# Altium PCB UM-64NNP-V1 rev 0.18.PcbDoc (part 3 of 5) (continued)
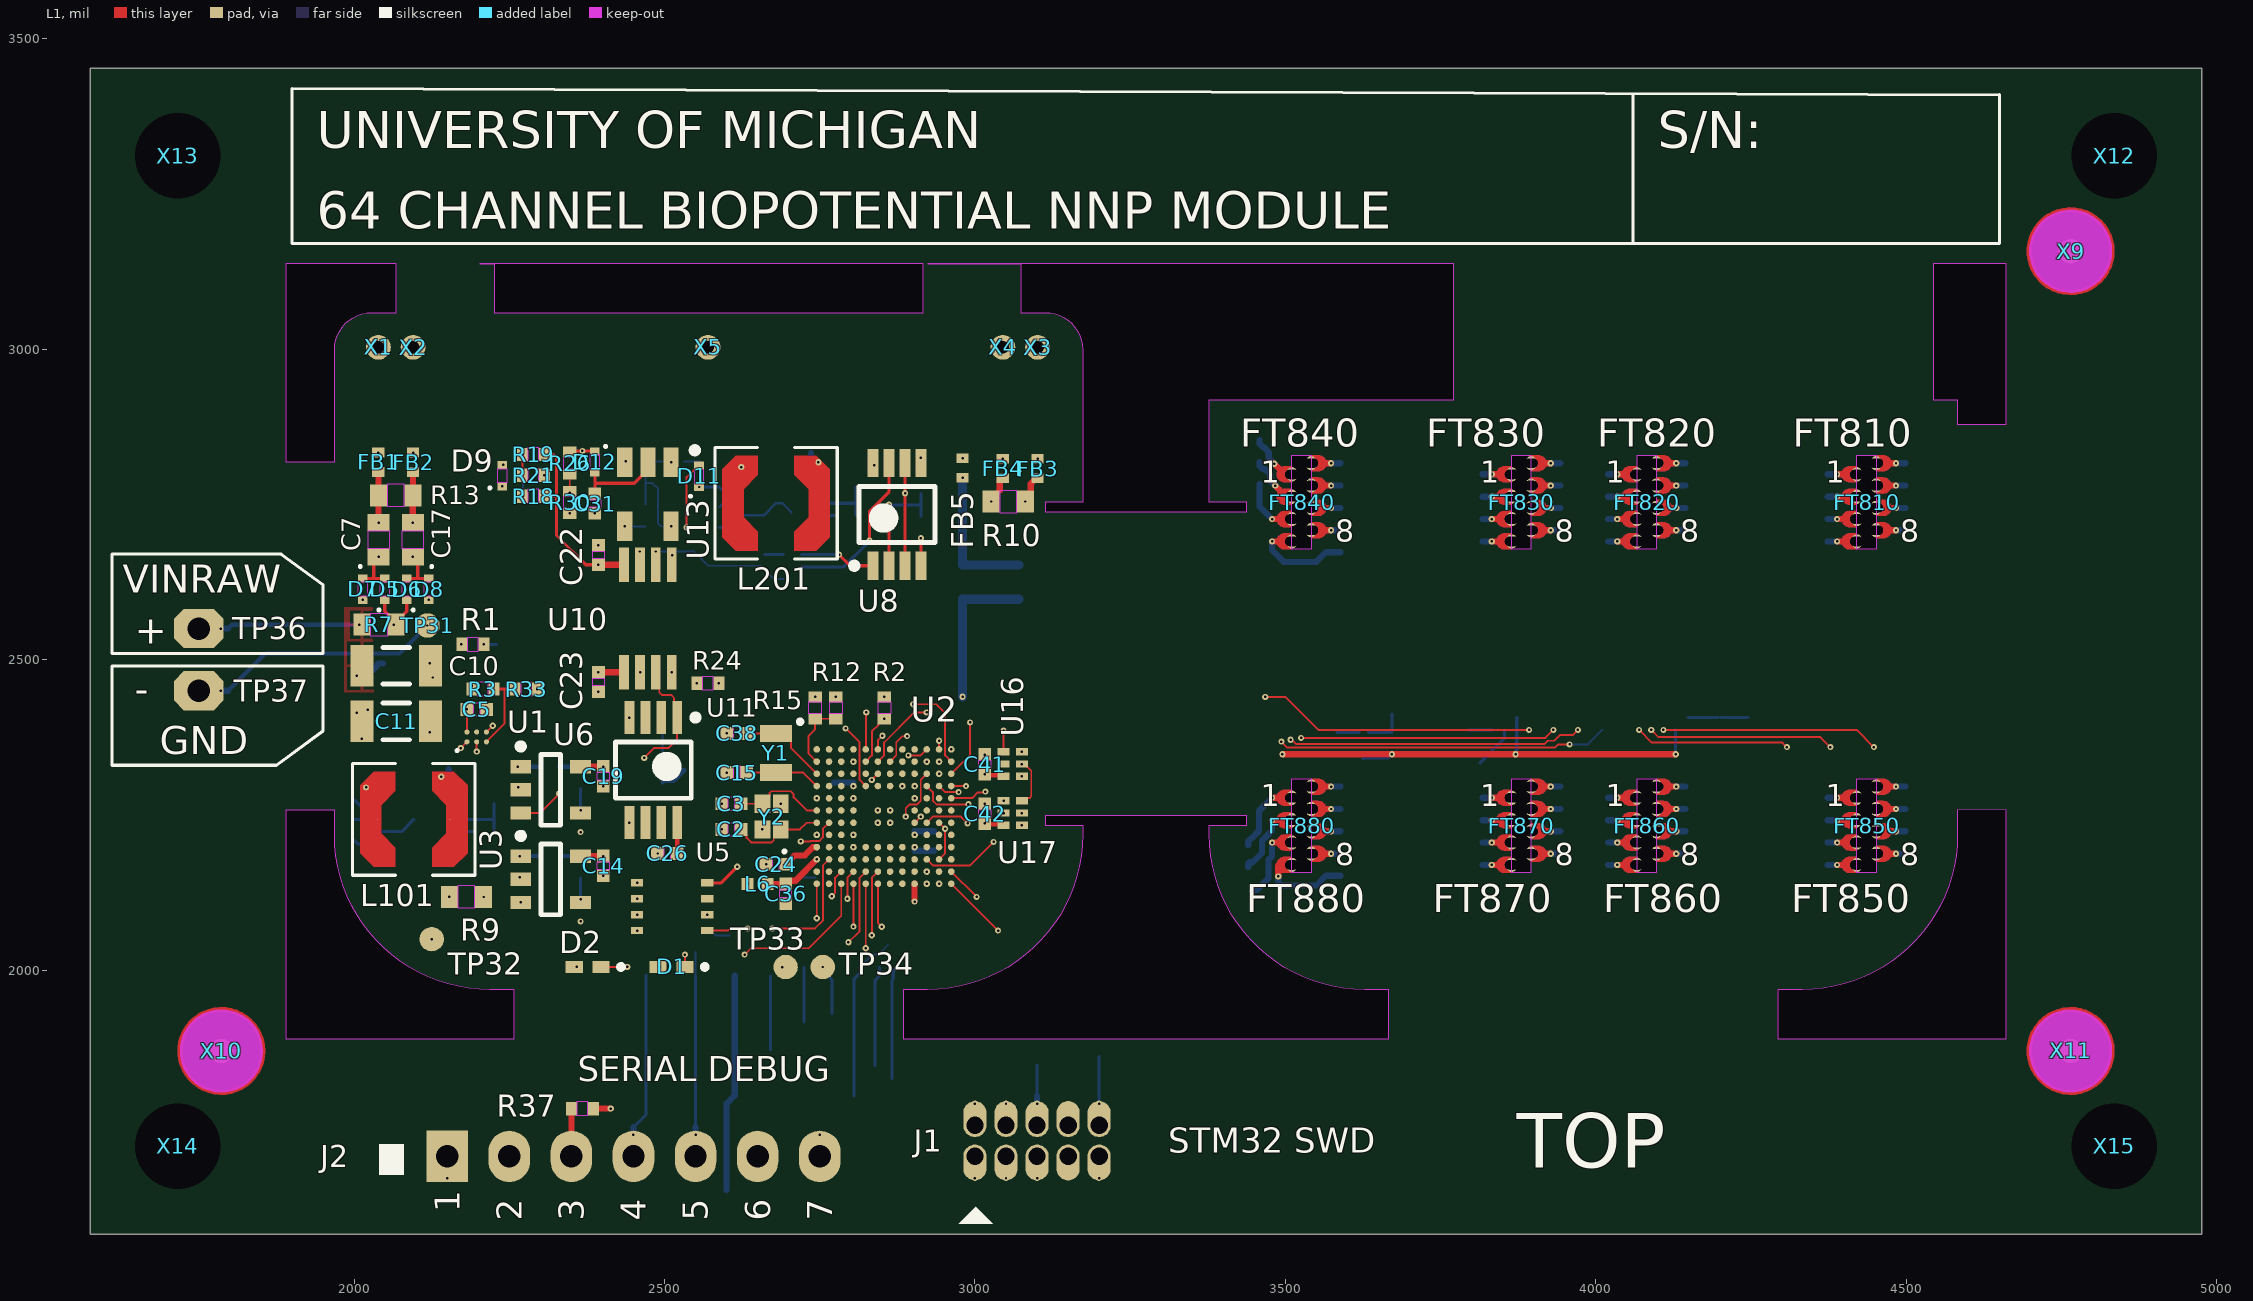
[diagram p0: L1 view]
## Nets (pads, with @x,y where several pads share a name; then routed paths per layer and width w, separated by ;. In a path a pad name is that pad's centre, name@x,y a point inside that pad or via, vN(x,y) a via of type N, cw(c..) or ccw(c..) an arc to the next point about the centre after c; other vN are vias at no path point) (continued)
  L6 w10: v5(1785,2450) v4(1797,2450) ; v3(2600,1646) 2600,1785 2613.13,1798.13 2613.13,1968.5 ; 2613.13,1968.83 v3(2613.13,1990.91) ; C43.2@2902.77,2223.65 C40.2@2934.27,2223.65
  L6 w15: v1(2980,2440.19) C37.1@2980,2597.44 v1(3070.48,2597.44)
  other v1: 2600,1646 2150,1665 2125,2050 2266.49,2149.26 2401.26,2152.22 2191.77,2187.63 2225.24,2187.63 2745.29,2217.75 2902.77,2217.75 2774.82,2231.53 2863.4,2237.43 2843.72,2257.12 2772.85,2270.9 2096.22,2274.24 2804.35,2276.8 2902.77,2276.8 2401.26,2296.32 2467.2,2322.07 4210.49,2344.63 3902.26,2347.61 4097.15,2347.63 2197.43,2351.98 4192.77,2358.41 3762.5,2386.96 4049.91,2386.96 4148.33,2386.96 3634.11,2398.93 3833.37,2406.64 3853.05,2406.64 3892.42,2406.64 3912.11,2406.64 3931.79,2406.64 3951.48,2406.64 3971.16,2406.64 3990.85,2406.64 4010.54,2406.64 4030.22,2406.64 4049.91,2406.64 4069.59,2406.64 4089.28,2406.64 4108.96,2406.64 4128.65,2406.64 2213.18,2419.81 3853.05,2426.33 4128.65,2426.33 4148.33,2426.33 3833.37,2446.01 4148.33,2446.01 3671.51,2448.15 1785,2450 2294.92,2452.73 2118.17,2555.05 3508.35,2598.96
  other v2: 2150,1653 2613.13,2002.91 2137,2050 2946.27,2110.42 2401.26,2140.22 2278.49,2149.26 2191.77,2175.63 2225.24,2175.63 2736.8,2209.26 2890.77,2217.75 2774.82,2219.53 2871.89,2228.95 2772.85,2258.9 2804.35,2264.8 2902.77,2264.8 2835.23,2265.6 2108.22,2274.24 2401.26,2284.32 2455.2,2322.07 2865.27,2326.01 2197.43,2339.98 3552.95,2347.75 2225.18,2419.81 3467.5,2424.05 3535,2440 1797,2450 2306.92,2452.73 2135.57,2462.81 2130.17,2555.05
  other v3: 2150,1665 3050.01,1665.01 3100.01,1665.01 3200.01,1665.01 2125,2050 2364.84,2078.32 2934.27,2110.42 2695.09,2112.31 2743.32,2117.94 2266.49,2149.26 2401.26,2152.22 2663.6,2170.31 2000.33,2177.2 2488.85,2187.82 2096.22,2211.25 2745.29,2217.75 2902.77,2217.75 2364.84,2222.43 2591.98,2226.53 2657.77,2226.53 2863.4,2237.43 2843.72,2257.12 2591.98,2267.94 2687.3,2267.94 2804.35,2276.8 2902.77,2276.8 2264.44,2294.18 2401.26,2296.32 2600.61,2318.14 2120.83,2323.46 2877.27,2326.01 2197.43,2351.98 2532.24,2353.57 2600.61,2381.13 2121.91,2383.4 2961.83,2387.04 2443.58,2406.72 2213.18,2419.81 2854.03,2440.19 2980,2440.19 2393.52,2448.25 1785,2450 2294.92,2452.73 2228.9,2469.8 2511.63,2479.74 2121.54,2493.86 2118.17,2555.05 2013.95,2596.28 2120.25,2596.28
  other v4: 2600,1634 3050.01,1653.01 3100.01,1653.01 3200.01,1653.01 2376.84,2078.32 2683.09,2112.31 2731.32,2117.94 2008.82,2168.71 2651.6,2170.31 2476.85,2187.82 2108.22,2211.25 2376.84,2222.43 2579.98,2226.53 2645.77,2226.53 2678.81,2259.46 2579.98,2267.94 2276.44,2294.18 2120.83,2311.46 2588.61,2318.14 4160.33,2349.59 2544.24,2353.57 3467.5,2364.05 2588.61,2381.13 2133.91,2383.4 2973.83,2387.04 2443.58,2418.72 2980,2428.19 2393.52,2436.25 2866.03,2440.19 3595,2440 2228.9,2457.8 2511.63,2491.74 2133.54,2493.86 2013.95,2584.28 2120.25,2584.28
  other v5: 3050.01,1665.01 3100.01,1665.01 3200.01,1665.01 2690,2004.99 2455.73,2063.69 2364.84,2078.32 2695.09,2112.31 2922.46,2158.69 2663.6,2170.31 2488.85,2187.82 2804.35,2217.75 2364.84,2222.43 2591.98,2226.53 2657.77,2226.53 3046.14,2252.97 2591.98,2267.94 2687.3,2267.94 3015.63,2267.73 2264.44,2294.18 2600.61,2318.14 3015.63,2347.16 3075.67,2351.55 2600.61,2381.13 2121.91,2383.4 2443.58,2406.72 2854.03,2440.19 2980,2440.19 2393.52,2448.25 2127.08,2471.29 2511.63,2479.74 2013.95,2596.28 2120.25,2596.28
  other v8: 2613.13,1990.91
IN0: C865.2 D865.1 FT860.5 U701.K2 | length 379.4
  L1 w10: 4120.38,2295.5 v1(4129.5,2295.5)
  L3 w10: 4120.38,2295.5 v1(4129.5,2295.5) v2(4141.5,2295.5)
  L4 w3: v2(4138.49,2436.17) 4160.37,2436.17 4198.7,2397.83 4198.7,2307.55 v2(4198.75,2307.5)
  L4 w10: 4120.38,2295.5 v1(4129.5,2295.5) v2(4141.5,2295.5)
  L2 w10: 4120.38,2295.5 v1(4129.5,2295.5) v2(4141.5,2295.5)
  L5 w3: v1(4128.65,2446.01) v2(4138.49,2436.17) ; v1(4198.75,2295.5) v2(4198.75,2307.5)
  L5 w10: 4120.38,2295.5 v1(4129.5,2295.5) ; v2(4141.5,2295.5) v1(4129.5,2295.5) ; v1(4198.75,2295.5) v1(4129.5,2295.5)
  L6 w10: 4120.38,2295.5 v1(4129.5,2295.5) D865.1@4144.62,2295.5
  other v3: 4129.5,2295.5
  other v4: 4141.5,2295.5
  other v5: 4129.5,2295.5
IN1: C867.2 D867.1 FT860.7 U701.J1 | length 483.3
  L1 w10: 4120.38,2223.5 v1(4129.5,2223.5)
  L3 w10: 4120.38,2223.5 v1(4129.5,2223.5) v2(4141.5,2223.5)
  L4 w3: v2(4160.33,2465.7) 4230.25,2395.78 4230.25,2255 v2(4207.24,2231.99)
  L4 w10: 4120.38,2223.5 v1(4129.5,2223.5) v2(4141.5,2223.5)
  L2 w10: 4120.38,2223.5 v1(4129.5,2223.5) v2(4141.5,2223.5)
  L5 w3: v1(4148.33,2465.7) v2(4160.33,2465.7) ; v1(4198.75,2223.5) v2(4207.24,2231.99)
  L5 w10: 4120.38,2223.5 v1(4129.5,2223.5) ; v2(4141.5,2223.5) v1(4129.5,2223.5) ; v1(4198.75,2223.5) v1(4129.5,2223.5)
  L6 w10: 4120.38,2223.5 v1(4129.5,2223.5) D867.1@4144.62,2223.5
  other v3: 4129.5,2223.5
  other v4: 4141.5,2223.5
  other v5: 4129.5,2223.5
IN2: C866.2 D866.1 FT860.6 U701.J2 | length 444.3
  L1 w10: 4120.38,2259.5 v1(4129.5,2259.5)
  L3 w10: 4120.38,2259.5 v1(4129.5,2259.5) v2(4141.5,2259.5)
  L4 w3: v2@4138.68,2456.05 4138.78,2455.95 4152.31,2455.95 4215.63,2392.64 4215.63,2276.38 v2(4207.24,2267.99)
  L4 w10: 4120.38,2259.5 v1(4129.5,2259.5) v2(4141.5,2259.5)
  L2 w10: 4120.38,2259.5 v1(4129.5,2259.5) v2(4141.5,2259.5)
  L5 w3: v1(4128.65,2465.7) v2(4138.49,2455.86) ; v1(4198.75,2259.5) v2(4207.24,2267.99)
  L5 w10: 4120.38,2259.5 v1(4129.5,2259.5) ; v2(4141.5,2259.5) v1(4129.5,2259.5) ; v1(4198.75,2259.5) v1(4129.5,2259.5)
  L6 w10: 4120.38,2259.5 v1(4129.5,2259.5) D866.1@4144.62,2259.5
  other v3: 4129.5,2259.5
  other v4: 4141.5,2259.5
  other v5: 4129.5,2259.5
IN3: C854.2 D854.1 FT850.4 U701.H1 | length 592.9
  L1 w10: v1(4388.51,2169.5) 4397.63,2169.5
  L3 w10: v2(4376.51,2169.5) v1(4388.51,2169.5) 4397.63,2169.5
  L4 w3: v2(4160.33,2485.38) 4160.46,2485.25 4181.17,2485.25 4262.6,2403.82 4262.6,2226.16 v2(4310.77,2177.99)
  L4 w10: v2(4376.51,2169.5) v1(4388.51,2169.5) 4397.63,2169.5
  L2 w10: v2(4376.51,2169.5) v1(4388.51,2169.5) 4397.63,2169.5
  L5 w3: v1(4148.33,2485.38) v2(4160.33,2485.38) ; v2(4310.77,2177.99) v1(4319.26,2169.5)
  L5 w10: v1(4319.26,2169.5) v1(4388.51,2169.5) ; v2(4376.51,2169.5) v1(4388.51,2169.5) ; 4397.63,2169.5 v1(4388.51,2169.5)
  L6 w10: D854.1@4373.39,2169.5 v1(4388.51,2169.5) 4397.63,2169.5
  other v3: 4388.51,2169.5
  other v4: 4376.51,2169.5
  other v5: 4388.51,2169.5
IN4: C868.2 D868.1 FT860.8 U701.H2 | length 572.7
  L1 w10: 4120.38,2187.5 v1(4129.5,2187.5)
  L3 w10: 4120.38,2187.5 v1(4129.5,2187.5) v2(4141.5,2187.5)
  L4 w3: v2(4138.49,2475.54) 4176.35,2475.54 4242.88,2409.01 4242.88,2231.63 v2(4207.24,2195.99)
  L4 w10: 4120.38,2187.5 v1(4129.5,2187.5) v2(4141.5,2187.5)
  L2 w10: 4120.38,2187.5 v1(4129.5,2187.5) v2(4141.5,2187.5)
  L5 w3: v1(4128.65,2485.38) v2(4138.49,2475.54) ; v1(4198.75,2187.5) v2(4207.24,2195.99)
  L5 w10: 4120.38,2187.5 v1(4129.5,2187.5) ; v2(4141.5,2187.5) v1(4129.5,2187.5) ; v1(4198.75,2187.5) v1(4129.5,2187.5)
  L6 w10: 4120.38,2187.5 v1(4129.5,2187.5) D868.1@4144.62,2187.5
  other v3: 4129.5,2187.5
  other v4: 4141.5,2187.5
  other v5: 4129.5,2187.5
IN5: C852.2 D852.1 FT850.2 U701.G1 | length 549.7
  L1 w10: v1(4388.51,2241.5) 4397.63,2241.5
  L3 w10: v2(4376.51,2241.5) v1(4388.51,2241.5) 4397.63,2241.5
  L4 w3: v2(4160.33,2505.07) 4160.47,2504.93 4196.73,2504.93 4294,2407.65 4294,2266.76 v2(4310.77,2249.99)
  L4 w10: v2(4376.51,2241.5) v1(4388.51,2241.5) 4397.63,2241.5
  L2 w10: v2(4376.51,2241.5) v1(4388.51,2241.5) 4397.63,2241.5
  L5 w3: v1(4148.33,2505.07) v2(4160.33,2505.07) ; v2(4310.77,2249.99) v1(4319.26,2241.5)
  L5 w10: v1(4319.26,2241.5) v1(4388.51,2241.5) ; v2(4376.51,2241.5) v1(4388.51,2241.5) ; 4397.63,2241.5 v1(4388.51,2241.5)
  L6 w10: D852.1@4373.39,2241.5 v1(4388.51,2241.5) 4397.63,2241.5
  other v3: 4388.51,2241.5
  other v4: 4376.51,2241.5
  other v5: 4388.51,2241.5
IN6: C853.2 D853.1 FT850.3 U701.G2 | length 593.8
  L1 w10: v1(4388.51,2205.5) 4397.63,2205.5
  L3 w10: v2(4376.51,2205.5) v1(4388.51,2205.5) 4397.63,2205.5
  L4 w3: v2(4138.49,2495.23) 4138.84,2494.88 4187.06,2494.88 4278.57,2403.36 4278.57,2246.19 v2(4310.77,2213.99)
  L4 w10: v2(4376.51,2205.5) v1(4388.51,2205.5) 4397.63,2205.5
  L2 w10: v2(4376.51,2205.5) v1(4388.51,2205.5) 4397.63,2205.5
  L5 w3: v1(4128.65,2505.07) v2(4138.49,2495.23) ; v2(4310.77,2213.99) v1(4319.26,2205.5)
  L5 w10: v1(4319.26,2205.5) v1(4388.51,2205.5) ; v2(4376.51,2205.5) v1(4388.51,2205.5) ; 4397.63,2205.5 v1(4388.51,2205.5)
  L6 w10: D853.1@4373.39,2205.5 v1(4388.51,2205.5) 4397.63,2205.5
  other v3: 4388.51,2205.5
  other v4: 4376.51,2205.5
  other v5: 4388.51,2205.5
IN7: C855.2 D855.1 FT850.5 U701.F1 | length 609
  L1 w10: 4474.38,2295.5 v1(4483.5,2295.5)
  L3 w10: 4474.38,2295.5 v1(4483.5,2295.5) v2(4495.5,2295.5)
  L4 w3: v2(4160.33,2524.76) 4320.56,2524.76 v2(4507.86,2337.45)
  L4 w10: 4474.38,2295.5 v1(4483.5,2295.5) v2(4495.5,2295.5)
  L2 w10: 4474.38,2295.5 v1(4483.5,2295.5) v2(4495.5,2295.5)
  L5 w3: v1(4148.33,2524.76) v2(4160.33,2524.76) ; v2(4507.86,2337.45) v1(4516.34,2328.97)
  L5 w10: 4474.38,2295.5 v1(4483.5,2295.5) v2(4495.5,2295.5) 4516.34,2316.35 v1(4516.34,2328.97)
  L6 w10: 4474.38,2295.5 v1(4483.5,2295.5) D855.1@4498.62,2295.5
  other v3: 4483.5,2295.5
  other v4: 4495.5,2295.5
  other v5: 4483.5,2295.5
IN8: C851.2 D851.1 FT850.1 U701.F2 | length 552
  L1 w10: v1(4388.51,2277.5) 4397.63,2277.5
  L3 w10: v2(4376.51,2277.5) v1(4388.51,2277.5) 4397.63,2277.5
  L4 w3: v2(4138.49,2514.92) 4138.53,2514.96 4204.53,2514.96 4319.26,2400.24 v2(4319.26,2289.5)
  L4 w10: v2(4376.51,2277.5) v1(4388.51,2277.5) 4397.63,2277.5
  L2 w10: v2(4376.51,2277.5) v1(4388.51,2277.5) 4397.63,2277.5
  L5 w3: v1(4128.65,2524.76) v2(4138.49,2514.92) ; v1(4319.26,2277.5) v2(4319.26,2289.5)
  L5 w10: v1(4319.26,2277.5) v1(4388.51,2277.5) ; v2(4376.51,2277.5) v1(4388.51,2277.5) ; 4397.63,2277.5 v1(4388.51,2277.5)
  L6 w10: D851.1@4373.39,2277.5 v1(4388.51,2277.5) 4397.63,2277.5
  other v3: 4388.51,2277.5
  other v4: 4376.51,2277.5
  other v5: 4388.51,2277.5
IN9: C856.2 D856.1 FT850.6 U701.E1 | length 732.7
  L1 w10: 4474.38,2259.5 v1(4483.5,2259.5)
  L3 w10: 4474.38,2259.5 v1(4483.5,2259.5) v2(4495.5,2259.5)
  L4 w3: v2(4160.33,2544.44) 4341.83,2544.44 4547.75,2338.51 v2(4547.75,2277.5)
  L4 w10: 4474.38,2259.5 v1(4483.5,2259.5) v2(4495.5,2259.5)
  L2 w10: 4474.38,2259.5 v1(4483.5,2259.5) v2(4495.5,2259.5)
  L5 w3: v1(4148.33,2544.44) v2(4160.33,2544.44) ; v1(4547.75,2260.07) v2(4547.75,2277.5)
  L5 w10: 4474.38,2259.5 v1(4483.5,2259.5) v2(4495.5,2259.5) ; v2@4496.07,2260.07 v1(4547.75,2260.07)
  L6 w10: 4474.38,2259.5 v1(4483.5,2259.5) D856.1@4498.62,2259.5
  other v3: 4483.5,2259.5
  other v4: 4495.5,2259.5
  other v5: 4483.5,2259.5
IN10: C858.2 D858.1 FT850.8 U701.E2 | length 827
  L1 w10: 4474.38,2187.5 v1(4483.5,2187.5)
  L3 w10: 4474.38,2187.5 v1(4483.5,2187.5) v2(4495.5,2187.5)
  L4 w3: v2(4138.49,2534.6) 4332.4,2534.6 4533.87,2333.13 4533.87,2188.57 v2(4511.34,2166.04)
  L4 w10: 4474.38,2187.5 v1(4483.5,2187.5) v2(4495.5,2187.5)
  L2 w10: 4474.38,2187.5 v1(4483.5,2187.5) v2(4495.5,2187.5)
  L5 w3: v1(4128.65,2544.44) v2(4138.49,2534.6) ; v1(4511.34,2154.04) v2(4511.34,2166.04)
  L5 w10: 4474.38,2187.5 v1(4483.5,2187.5) v2(4495.5,2187.5) 4511.34,2171.66 v2(4511.34,2166.04)
  L6 w10: 4474.38,2187.5 v1(4483.5,2187.5) D858.1@4498.62,2187.5
  other v3: 4483.5,2187.5
  other v4: 4495.5,2187.5
  other v5: 4483.5,2187.5
IN11: C816.2 D816.1 FT810.6 U701.D1 | length 764.8
  L1 w10: 4474.38,2780.5 v1(4483.5,2780.5)
  L3 w10: 4474.38,2780.5 v1(4483.5,2780.5) v2(4495.5,2780.5)
  L4 w3: v2(4160.33,2564.13) 4486.81,2564.13 4562.25,2639.57 4562.25,2742.27 4552.75,2751.77 v2(4552.75,2767.94)
  L4 w10: 4474.38,2780.5 v1(4483.5,2780.5) v2(4495.5,2780.5)
  L2 w10: 4474.38,2780.5 v1(4483.5,2780.5) v2(4495.5,2780.5)
  L5 w3: v1(4148.33,2564.13) v2(4160.33,2564.13) ; v2(4552.75,2767.94) v1(4552.75,2779.94)
  L5 w10: 4474.38,2780.5 v1(4483.5,2780.5) v2(4495.5,2780.5) 4552.19,2780.5 v1(4552.75,2779.94)
  L6 w10: 4474.38,2780.5 v1(4483.5,2780.5) D816.1@4498.62,2780.5
  other v3: 4483.5,2780.5
  other v4: 4495.5,2780.5
  other v5: 4483.5,2780.5
IN12: C857.2 D857.1 FT850.7 U701.D2 | length 818.6
  L1 w10: 4474.38,2223.5 v1(4483.5,2223.5)
  L3 w10: 4474.38,2223.5 v1(4483.5,2223.5) v2(4495.5,2223.5)
  L4 w3: v2(4138.49,2554.29) 4348.86,2554.29 4557.66,2345.49 4557.66,2241.64 4552.75,2236.73 v2(4552.75,2235.5)
  L4 w10: 4474.38,2223.5 v1(4483.5,2223.5) v2(4495.5,2223.5)
  L2 w10: 4474.38,2223.5 v1(4483.5,2223.5) v2(4495.5,2223.5)
  L5 w3: v1(4128.65,2564.13) v2(4138.49,2554.29) ; v1(4552.75,2223.5) v2(4552.75,2235.5)
  L5 w10: 4474.38,2223.5 v1(4483.5,2223.5) v2(4495.5,2223.5) ; v2@4495.57,2223.43 4539.26,2223.43 4539.33,2223.5 v1(4552.75,2223.5)
  L6 w10: 4474.38,2223.5 v1(4483.5,2223.5) D857.1@4498.62,2223.5
  other v3: 4483.5,2223.5
  other v4: 4495.5,2223.5
  other v5: 4483.5,2223.5
IN13: C815.2 D815.1 FT810.5 U701.C1 | length 777.4
  L1 w10: 4474.38,2816.5 v1(4483.5,2816.5)
  L3 w10: 4474.38,2816.5 v1(4483.5,2816.5) v2(4495.5,2816.5)
  L4 w3: v2(4160.33,2583.81) 4456.08,2583.81 4540.25,2667.98 4540.25,2823.55 4524.83,2838.97 v2(4524.83,2840.86)
  L4 w10: 4474.38,2816.5 v1(4483.5,2816.5) v2(4495.5,2816.5)
  L2 w10: 4474.38,2816.5 v1(4483.5,2816.5) v2(4495.5,2816.5)
  L5 w3: v1(4148.33,2583.81) v2(4160.33,2583.81) ; v1@4516.34,2849.35 v2(4524.83,2840.86)
  L5 w10: 4474.38,2816.5 v1(4483.5,2816.5) v2(4495.5,2816.5) 4495.5,2828.56 v1(4516.34,2849.4)
  L6 w10: 4474.38,2816.5 v1(4483.5,2816.5) D815.1@4498.6,2816.5
  other v3: 4483.5,2816.5
  other v4: 4495.5,2816.5
  other v5: 4483.5,2816.5
IN14: C817.2 D817.1 FT810.7 U701.C2 | length 726.1
  L1 w10: 4474.38,2744.5 v1(4483.5,2744.5)
  L3 w10: 4474.38,2744.5 v1(4483.5,2744.5) v2(4495.5,2744.5)
  L4 w3: v2(4138.49,2573.97) 4471.94,2573.97 4552.75,2654.78 v2(4552.75,2731.94)
  L4 w10: 4474.38,2744.5 v1(4483.5,2744.5) v2(4495.5,2744.5)
  L2 w10: 4474.38,2744.5 v1(4483.5,2744.5) v2(4495.5,2744.5)
  L5 w3: v1(4128.65,2583.81) v2(4138.49,2573.97) ; v2(4552.75,2731.94) v1(4552.75,2743.94)
  L5 w10: 4474.38,2744.5 v1(4483.5,2744.5) v2(4495.5,2744.5) 4552.19,2744.5 v1(4552.75,2743.94)
  L6 w10: 4474.38,2744.5 v1(4483.5,2744.5) D817.1@4498.62,2744.5
  other v3: 4483.5,2744.5
  other v4: 4495.5,2744.5
  other v5: 4483.5,2744.5
IN15: C814.2 D814.1 FT810.4 U701.B1 | length 382
  L1 w10: v1(4388.51,2690.5) 4397.63,2690.5
  L3 w10: v2(4376.51,2690.5) v1(4388.51,2690.5) 4397.63,2690.5
  L4 w3: v2(4160.33,2603.5) 4232.25,2603.5 v2(4310.77,2682.02)
  L4 w10: v2(4376.51,2690.5) v1(4388.51,2690.5) 4397.63,2690.5
  L2 w10: v2(4376.51,2690.5) v1(4388.51,2690.5) 4397.63,2690.5
  L5 w3: v1(4148.33,2603.5) v2(4160.33,2603.5) ; v2(4310.77,2682.02) v1(4319.26,2690.5)
  L5 w10: v1(4319.26,2690.5) v2(4376.51,2690.5) v1(4388.51,2690.5) 4397.63,2690.5
  L6 w10: D814.1@4373.39,2690.5 v1(4388.51,2690.5) 4397.63,2690.5
  other v3: 4388.51,2690.5
  other v4: 4376.51,2690.5
  other v5: 4388.51,2690.5
IN16: C813.2 D813.1 FT810.3 U701.A1 | length 400.8
  L1 w10: v1(4388.51,2726.5) 4397.63,2726.5
  L3 w10: v2(4376.51,2726.5) v1(4388.51,2726.5) 4397.63,2726.5
  L4 w3: v2(4160.33,2623.18) 4215.93,2623.18 v2(4310.77,2718.02)
  L4 w10: v2(4376.51,2726.5) v1(4388.51,2726.5) 4397.63,2726.5
  L2 w10: v2(4376.51,2726.5) v1(4388.51,2726.5) 4397.63,2726.5
  L5 w3: v1(4148.33,2623.18) v2(4160.33,2623.18) ; v2(4310.77,2718.02) v1(4319.26,2726.5)
  L5 w10: v1(4319.26,2726.5) v1(4388.51,2726.5) ; v2(4376.51,2726.5) v1(4388.51,2726.5) ; 4397.63,2726.5 v1(4388.51,2726.5)
  L6 w10: D813.1@4373.39,2726.5 v1(4388.51,2726.5) 4397.63,2726.5
  other v3: 4388.51,2726.5
  other v4: 4376.51,2726.5
  other v5: 4388.51,2726.5
IN17: C818.2 D818.1 FT810.8 U701.B2 | length 592.4
  L1 w10: 4474.38,2708.5 v1(4483.5,2708.5)
  L3 w10: 4474.38,2708.5 v1(4483.5,2708.5) v2(4495.5,2708.5)
  L4 w3: v2(4138.49,2593.66) 4446.96,2593.66 v2(4516.34,2663.04)
  L4 w10: 4474.38,2708.5 v1(4483.5,2708.5) v2(4495.5,2708.5)
  L2 w10: 4474.38,2708.5 v1(4483.5,2708.5) v2(4495.5,2708.5)
  L5 w3: v1(4128.65,2603.5) v2(4138.49,2593.66) ; v2(4516.34,2663.04) v1(4516.34,2675.04)
  L5 w10: 4474.38,2708.5 v1(4483.5,2708.5) v2(4495.5,2708.5) 4516.34,2687.66 v1(4516.34,2675.04)
  L6 w10: 4474.38,2708.5 v1(4483.5,2708.5) D818.1@4498.62,2708.5
  other v3: 4483.5,2708.5
  other v4: 4495.5,2708.5
  other v5: 4483.5,2708.5
IN18: C811.2 D811.1 FT810.1 U701.A2 | length 483.4
  L1 w10: v1(4388.51,2798.5) 4397.63,2798.5
  L3 w10: v2(4376.51,2798.5) v1(4388.51,2798.5) 4397.63,2798.5
  L4 w3: v2(4128.65,2637.09) 4140.59,2649.03 4212.4,2649.03 4294.57,2731.21 4294.57,2773.82 v2(4310.77,2790.02)
  L4 w10: v2(4376.51,2798.5) v1(4388.51,2798.5) 4397.63,2798.5
  L2 w10: v2(4376.51,2798.5) v1(4388.51,2798.5) 4397.63,2798.5
  L5 w3: v1(4128.65,2623.18) v2(4128.65,2637.09) ; v2(4310.77,2790.02) v1(4319.26,2798.5)
  L5 w10: v1(4319.26,2798.5) v1(4388.51,2798.5) ; v2(4376.51,2798.5) v1(4388.51,2798.5) ; 4397.63,2798.5 v1(4388.51,2798.5)
  L6 w10: D811.1@4373.39,2798.5 v1(4388.51,2798.5) 4397.63,2798.5
  other v3: 4388.51,2798.5
  other v4: 4376.51,2798.5
  other v5: 4388.51,2798.5
IN19: C812.2 D812.1 FT810.2 U701.B3 | length 469.2
  L1 w10: v1(4388.51,2762.5) 4397.63,2762.5
  L3 w10: v2(4376.51,2762.5) v1(4388.51,2762.5) 4397.63,2762.5
  L4 w3: v2(4118.8,2613.34) 4119.17,2612.96 4132.3,2612.96 4138.37,2619.03 4138.37,2628.57 4149.23,2639.43 4217.41,2639.43 4301.76,2723.78 4301.76,2744.44 v2(4311.34,2754.02)
  L4 w10: v2(4376.51,2762.5) v1(4388.51,2762.5) 4397.63,2762.5
  L2 w10: v2(4376.51,2762.5) v1(4388.51,2762.5) 4397.63,2762.5
  L5 w3: v1(4108.96,2603.5) v2(4118.8,2613.34) ; v2(4311.34,2754.02) v1(4319.82,2762.5)
  L5 w10: v1(4319.82,2762.5) v2(4376.51,2762.5) v1(4388.51,2762.5) 4397.63,2762.5
  L6 w10: D812.1@4373.39,2762.5 v1(4388.51,2762.5) 4397.63,2762.5
  other v3: 4388.51,2762.5
  other v4: 4376.51,2762.5
  other v5: 4388.51,2762.5
IN20: C825.2 D825.1 FT820.5 U701.A3 | length 486
  L1 w10: 4120.38,2816.5 v1(4129.5,2816.5)
  L3 w10: 4120.38,2816.5 v1(4129.5,2816.5) v2(4141.5,2816.5)
  L4 w3: v2(4108.96,2637.09) 4110.3,2638.43 4116.25,2638.43 4135.32,2657.5 4201.52,2657.5 4230.27,2686.26 4230.27,2772.98 v2(4198.75,2804.5)
  L4 w10: 4120.38,2816.5 v1(4129.5,2816.5) v2(4141.5,2816.5)
  L2 w10: 4120.38,2816.5 v1(4129.5,2816.5) v2(4141.5,2816.5)
  L5 w3: v1(4108.96,2623.18) v2(4108.96,2637.09) ; v2(4198.75,2804.5) v1(4198.75,2816.5)
  L5 w10: 4120.38,2816.5 v1(4129.5,2816.5) ; v2(4141.5,2816.5) v1(4129.5,2816.5) ; v1(4198.75,2816.5) v1(4129.5,2816.5)
  L6 w10: 4120.38,2816.5 v1(4129.5,2816.5) D825.1@4144.62,2816.5
  other v3: 4129.5,2816.5
  other v4: 4141.5,2816.5
  other v5: 4129.5,2816.5
IN21: C826.2 D826.1 FT820.6 U701.B4 | length 470
  L1 w10: 4120.38,2780.5 v1(4129.5,2780.5)
  L3 w10: 4120.38,2780.5 v1(4129.5,2780.5) v2(4141.5,2780.5)
  L4 w3: v2(4099.12,2613.34) 4099.12,2640.69 4107.44,2649 4118.33,2649 4134.33,2665 4196.13,2665 4220.42,2689.29 4220.42,2746.83 v2(4198.75,2768.5)
  L4 w10: 4120.38,2780.5 v1(4129.5,2780.5) v2(4141.5,2780.5)
  L2 w10: 4120.38,2780.5 v1(4129.5,2780.5) v2(4141.5,2780.5)
  L5 w3: v1(4089.28,2603.5) v2(4099.12,2613.34) ; v2(4198.75,2768.5) v1(4198.75,2780.5)
  L5 w10: 4120.38,2780.5 v1(4129.5,2780.5) ; v2(4141.5,2780.5) v1(4129.5,2780.5) ; v1(4198.75,2780.5) v1(4129.5,2780.5)
  L6 w10: 4120.38,2780.5 v1(4129.5,2780.5) D826.1@4144.62,2780.5
  other v3: 4129.5,2780.5
  other v4: 4141.5,2780.5
  other v5: 4129.5,2780.5
IN22: C827.2 D827.1 FT820.7 U701.A4 | length 404.8
  L1 w10: 4120.38,2744.5 v1(4129.5,2744.5)
  L3 w10: 4120.38,2744.5 v1(4129.5,2744.5) v2(4141.5,2744.5)
  L4 w3: v2(4089.28,2637.09) 4089.28,2638.99 4093.46,2643.17 4093.46,2643.51 4104.95,2655 4114.71,2655 4132.89,2673.19 4191.75,2673.19 4211.86,2693.3 4211.86,2719.39 v2(4198.75,2732.5)
  L4 w10: 4120.38,2744.5 v1(4129.5,2744.5) v2(4141.5,2744.5)
  L2 w10: 4120.38,2744.5 v1(4129.5,2744.5) v2(4141.5,2744.5)
  L5 w3: v1(4089.28,2623.18) v2(4089.28,2637.09) ; v2(4198.75,2732.5) v1(4198.75,2744.5)
  L5 w10: 4120.38,2744.5 v1(4129.5,2744.5) ; v2(4141.5,2744.5) v1(4129.5,2744.5) ; v1(4198.75,2744.5) v1(4129.5,2744.5)
  L6 w10: 4120.38,2744.5 v1(4129.5,2744.5) D827.1@4144.62,2744.5
  other v3: 4129.5,2744.5
  other v4: 4141.5,2744.5
  other v5: 4129.5,2744.5
IN23: C828.2 D828.1 FT820.8 U701.B5 | length 382.8
  L1 w10: 4120.38,2708.5 v1(4129.5,2708.5)
  L3 w10: 4120.38,2708.5 v1(4129.5,2708.5) v2(4141.5,2708.5)
  L4 w3: v2(4079.43,2613.34) 4079.43,2640.68 4099.76,2661 4109.69,2661 4128.4,2679.71 4181.96,2679.71 v2(4198.75,2696.5)
  L4 w10: 4120.38,2708.5 v1(4129.5,2708.5) v2(4141.5,2708.5)
  L2 w10: 4120.38,2708.5 v1(4129.5,2708.5) v2(4141.5,2708.5)
  L5 w3: v1(4069.59,2603.5) v2(4079.43,2613.34) ; v2(4198.75,2696.5) v1(4198.75,2708.5)
  L5 w10: 4120.38,2708.5 v1(4129.5,2708.5) ; v2(4141.5,2708.5) v1(4129.5,2708.5) ; v1(4198.75,2708.5) v1(4129.5,2708.5)
  L6 w10: 4120.38,2708.5 v1(4129.5,2708.5) D828.1@4144.62,2708.5
  other v3: 4129.5,2708.5
  other v4: 4141.5,2708.5
  other v5: 4129.5,2708.5
IN24: C821.2 D821.1 FT820.1 U701.A5 | length 544
  L1 w10: v1(4034.51,2798.5) 4043.63,2798.5
  L3 w10: v2(4022.51,2798.5) v1(4034.51,2798.5) 4043.63,2798.5
  L4 w3: v2(4069.59,2635.18) 4043.22,2661.54 4027.92,2661.54 3999.21,2690.25 3999.21,2798.75 4066.97,2866.5 4082.64,2866.5 v2(4083.98,2867.84)
  L4 w10: v2(4022.51,2798.5) v1(4034.51,2798.5) 4043.63,2798.5
  L2 w10: v2(4022.51,2798.5) v1(4034.51,2798.5) 4043.63,2798.5
  L5 w3: v1(4069.59,2623.18) v2(4069.59,2635.18) ; v1(4075.49,2859.36) v2(4083.98,2867.84)
  L5 w10: 4043.63,2798.5 v1(4034.51,2798.5) v2(4022.51,2798.5) 4022.51,2813.79 4058.22,2849.5 4065.64,2849.5 v1(4075.49,2859.36)
  L6 w10: D821.1@4019.39,2798.5 v1(4034.51,2798.5) 4043.63,2798.5
  other v3: 4034.51,2798.5
  other v4: 4022.51,2798.5
  other v5: 4034.51,2798.5
IN25: C861.2 D861.1 FT860.1 U701.B6 | length 455.4
  L1 w10: v5(4034.51,2277.5) 4043.63,2277.5
  L3 w3: v3(4045.24,2332.94) 4045.24,2334.4 4049.91,2339.08 v3(4049.91,2579.5)
  L3 w10: v4(4022.51,2277.5) v5(4034.51,2277.5) 4043.63,2277.5
  L4 w3: v2(4036.75,2324.45) v3(4045.24,2332.94) ; v3(4049.91,2579.5) v2(4049.91,2591.5)
  L4 w10: v4(4022.51,2277.5) v5(4034.51,2277.5) 4043.63,2277.5
  L2 w10: v4(4022.51,2277.5) v5(4034.51,2277.5) 4043.63,2277.5
  L5 w3: v1(4028.27,2315.97) v2(4036.75,2324.45) ; v2(4049.91,2591.5) v1(4049.91,2603.5)
  L5 w10: v4(4022.51,2277.5) v5(4034.51,2277.5) ; v1(4028.27,2315.97) 4034.51,2309.73 v5(4034.51,2277.5) ; 4043.63,2277.5 v5(4034.51,2277.5)
  L6 w10: D861.1@4019.41,2277.5 v5(4034.51,2277.5) 4043.63,2277.5
  other v1: 4034.51,2277.5
  other v2: 4022.51,2277.5
  other v3: 4034.51,2277.5
IN26: C822.2 D822.1 FT820.2 U701.A6 | length 542.6
  L1 w10: v1(4034.51,2762.5) 4043.63,2762.5
  L3 w10: v2(4022.51,2762.5) v1(4034.51,2762.5) 4043.63,2762.5
  L4 w3: v2(4049.91,2635.18) 4029.54,2655.54 4025.44,2655.54 3993.21,2687.77 3993.21,2808.57 v2(4052.48,2867.84)
  L4 w10: v2(4022.51,2762.5) v1(4034.51,2762.5) 4043.63,2762.5
  L2 w10: v2(4022.51,2762.5) v1(4034.51,2762.5) 4043.63,2762.5
  L5 w3: v1(4044,2859.36) v2(4052.48,2867.84) ; v1(4049.91,2623.18) v2(4049.91,2635.18)
  L5 w10: 4043.63,2762.5 v1(4034.51,2762.5) v2(4022.51,2762.5) 4008.13,2776.88 4008.13,2823.49 v1(4044,2859.36)
  L6 w10: D822.1@4019.39,2762.5 v1(4034.51,2762.5) 4043.63,2762.5
  other v3: 4034.51,2762.5
  other v4: 4022.51,2762.5
  other v5: 4034.51,2762.5
IN27: C864.2 D864.1 FT860.4 U701.B7 | length 679.5
  L1 w10: v3(4034.51,2169.5) 4043.63,2169.5
  L3 w3: v3(4030.22,2579.5) 4041.25,2568.46 4041.25,2360.98 4008.86,2328.59 4008.86,2168.95 4020.85,2156.96 4029.44,2156.96 v3(4042.77,2143.62)
  L3 w10: v2(4022.51,2169.5) v3(4034.51,2169.5) 4043.63,2169.5
  L4 w3: v3(4030.22,2579.5) v2(4030.22,2591.5) ; v3(4042.77,2143.62) v2(4051.26,2135.14)
  L4 w10: v2(4022.51,2169.5) v3(4034.51,2169.5) 4043.63,2169.5
  L2 w10: v2(4022.51,2169.5) v3(4034.51,2169.5) 4043.63,2169.5
  L5 w3: v2(4030.22,2591.5) v1(4030.22,2603.5)
  L5 w10: v2(4022.51,2169.5) v3(4034.51,2169.5) 4043.63,2169.5 ; v1@4034.51,2168.94 4034.51,2151.89 v2(4051.26,2135.14) v1(4059.74,2126.65)
  L6 w10: D864.1@4019.41,2169.5 v3(4034.51,2169.5) 4043.63,2169.5
  other v1: 4034.51,2169.5
  other v4: 4022.51,2169.5
  other v5: 4034.51,2169.5